# KiCad board travis_erg2024.kicad_pcb-wired-gnd.kicad_pcb (continued)
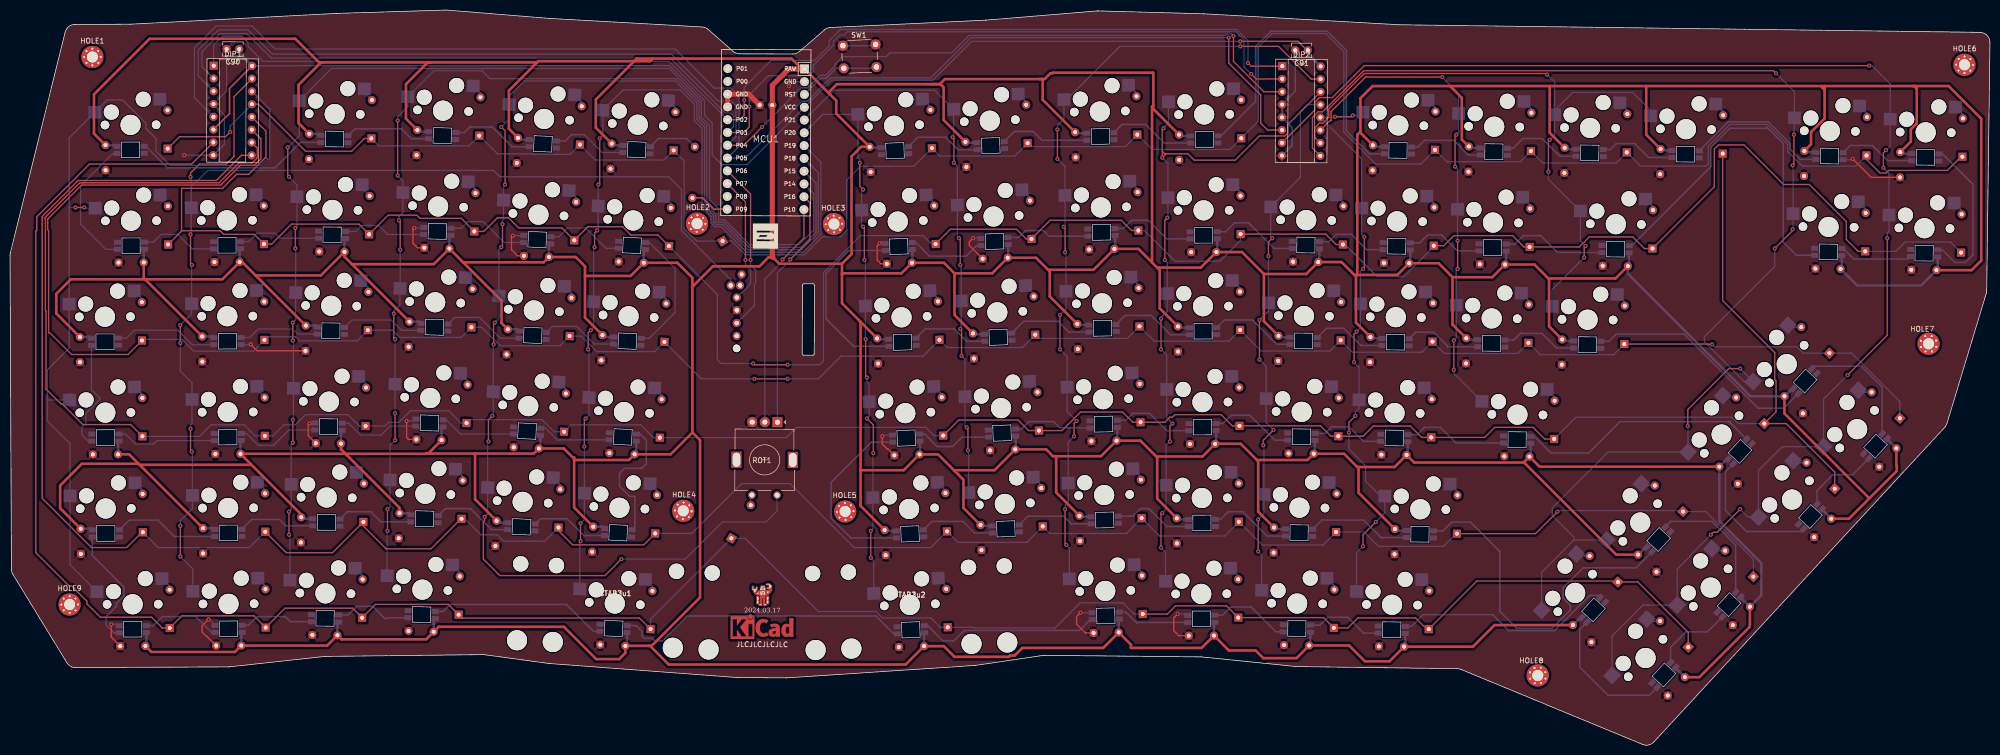
[diagram p0: board, top side]
## Routing (per net, layer and track width the routed paths; a pad name or vN(x,y) marks a point on that pad's centre or on a via; arc(x,y) is an arc through that point) (continued)
LED_2: length 16.6
  Bottom w0.3: LED14.2 99.72,118.86 95.79,122.78 91.35,122.78 90.25,121.68 LED11.4
LED_3: length 17.4
  Bottom w0.3: LED8.4 68.48,122.4 77.76,122.4 79.71,120.45 LED11.2
LED_4: length 38.9
  Bottom w0.3: LED3.4 26.96,118.95 31.26,114.65 52.61,114.65 57.68,119.72 LED8.2
LED_5: length 27
  Bottom w0.25: LED48.4 19.01,98.48 14.01,103.48 14.01,111.1 20.44,117.53 LED3.2
LED_6: length 15.5
  Bottom w0.25: LED51.4 36.19,98.56 33.31,101.45 30.01,101.45 28.46,99.9 LED48.2
LED_7: length 16.6
  Bottom w0.25: LED54.4 53.64,100.68 52.61,101.7 49.06,101.7 47.34,99.99 LED51.2
LED_8: length 16.7
  Bottom w0.25: LED57.4 74.99,101.42 73.19,103.22 69.89,103.22 68.67,102.01 LED54.2
LED_9: length 16.7
  Bottom w0.25: LED57.2 89.64,102.66 90.97,103.99 94.02,103.99 98.17,99.84 LED59.4
LED_10: length 15.7
  Bottom w0.25: LED59.2 109.04,100.98 110.78,102.72 114.34,102.72 118.37,98.68 LED62.4
LED_11: length 25.6
  Bottom w0.25: LED16.4 126.96,80.79 132.12,85.95 132.12,94.69 126.98,99.82 LED62.2
LED_12: length 15.3
  Bottom w0.25: LED16.2 116.06,79.65 112.56,83.16 107.76,83.16 LED13.4
LED_13: length 16.3
  Bottom w0.25: LED10.4 88.34,84.94 93.25,84.94 97.38,80.81 LED13.2
LED_14: length 16.6
  Bottom w0.25: LED10.2 77.78,82.38 75.73,84.43 67.9,84.43 LED7.4
LED_15: length 16.3
  Bottom w0.25: LED5.4 47.6,80.94 49.31,82.65 56.17,82.65 57.19,81.63 LED7.2
LED_16: length 20.8
  Bottom w0.25: LED2.4 23.11,80.83 24.67,82.4 33.31,82.4 36.19,79.51 LED5.2
LED_17: length 22.4
  Bottom w0.25: LED47.4 15.55,60.36 14.26,61.65 14.26,63.09 15.07,63.9 15.07,65.87 17.82,68.61 17.82,68.93 16.17,70.58 LED2.2
LED_18: length 20
  Bottom w0.25: LED50.4 29.16,60.46 28.48,59.79 24.93,59.79 22.94,61.78 LED47.2
LED_19: length 16.8
  Bottom w0.25: LED53.4 55.41,62.58 52.36,59.54 49.31,59.54 46.96,61.89 LED50.2
LED_20: length 16.3
  Bottom w0.25: LED53.2 67.29,63.91 69.63,61.57 73.7,61.57 75.48,63.35 LED56.4
LED_21: length 15.1
  Bottom w0.25: LED58.4 89.48,61.79 86.68,64.59 LED56.2
LED_22: length 14.6
  Bottom w0.25: LED61.4 109.33,60.63 109.26,60.55 108.75,60.55 106.37,62.93 LED58.2
LED_23: length 26.6
  Bottom w0.3: LED15.4 124.11,43.31 124.11,49.38 123.1,49.38 121.07,51.41 121.07,53.95 122.08,54.96 125.51,54.96 126.4,55.85 126.4,60.52 125.15,61.77 LED61.2
LED_24: length 15.6
  Bottom w0.3: LED12.4 105.34,44.93 110.65,44.93 113.99,41.6 LED15.2
LED_25: length 16.1
  Bottom w0.3: LED9.4 86.46,46.96 91.48,46.96 95.67,42.77 LED12.2
LED_26: length 15.5
  Bottom w0.3: LED9.2 73.67,44.32 71.66,46.33 67,46.33 LED6.4
LED_27: length 15.4
  Bottom w0.3: LED4.4 48.01,44.8 53.5,44.8 54.77,43.54 LED6.2
LED_28: length 21.1
  Bottom w0.3: LED4.2 32.64,41.41 29.37,44.68 23.67,44.68 LED1.4
LED_29: length 24.8
  Bottom w0.3: LED1.2 16.33,37.65 22.61,31.37 22.61,29.6 21.12,28.1 21.12,27.53 19.09,25.5 19.09,23.8 20.61,22.28 LED46.4
LED_30: length 15.7
  Bottom w0.3: LED46.2 28.46,23.7 30.26,25.5 36.89,25.5 40.03,22.36 LED49.4
LED_31: length 14.9
  Bottom w0.3: LED52.4 55.66,24.49 54.65,25.5 49.31,25.5 49.18,25.37 48.93,25.37 47.34,23.79 LED49.2
LED_32: length 15.5
  Bottom w0.3: LED52.2 67.16,25.82 68.87,27.53 72.04,27.53 74.46,25.12 74.84,25.12 75,25.28 LED55.4
LED_33: length 35.5
  Bottom w0.3: LED60.4 115.87,22.57 110.53,27.91 87.41,27.91 86.01,26.52 LED55.2
LED_34: length 58.9
  Bottom w0.3: LED60.2 124.36,23.71 125.51,22.55 125.51,21.69 126.02,21.18 127.54,21.18 128.05,20.67 129.58,20.67 134.53,25.63 172,25.63 175.56,22.07 LED63.4
LED_35: length 36.4
  Bottom w0.3: LED68.4 214.56,24.89 212.43,22.75 189.57,22.75 187.49,20.67 185.31,20.67 182.3,23.68 LED63.2
LED_36: length 14.5
  Bottom w0.3: LED68.2 221.64,26.4 223.81,24.23 223.92,24.34 LED71.4
LED_37: length 16.3
  Bottom w0.3: LED71.2 240.84,25.77 242.48,27.41 246.54,27.41 251.48,22.47 LED74.4
LED_38: length 15.4
  Bottom w0.3: LED74.2 260.21,23.8 261.78,25.37 265.72,25.37 268.87,22.22 LED77.4
LED_39: length 44.1
  Bottom w0.3: LED77.2 278.38,23.55 280.71,25.88 294.55,25.88 297.72,22.71 306.8,22.71 313.81,29.71 315.46,29.71 LED40.4
LED_40: length 27.9
  Bottom w0.3: LED40.2 311.82,22.96 311.82,15.47 317.41,9.88 325.66,9.88 LED83.4
LED_41: length 15.8
  Bottom w0.3: LED84.4 337.17,22.45 332.9,22.45 329.86,19.41 LED83.2
LED_42: length 25.9
  Bottom w0.3: LED41.4 329.73,44.2 329.73,44.42 338.11,44.42 342.79,39.74 LED84.2
LED_43: length 70.7
  Bottom w0.3: LED41.2 322.99,35.18 312.51,35.18 308.52,31.2 308.52,29.21 309.92,27.81 309.92,26.77 306.36,23.21 299.26,23.21 295.95,26.52 295.95,38.45 290.1,44.3 286.42,44.3 284.65,42.53 LED32.4
LED_44: length 20.9
  Bottom w0.3: LED32.2 272.53,41.2 272.45,41.12 268.89,44.68 260.61,44.68 LED30.4
LED_45: length 16.5
  Bottom w0.3: LED30.2 249.7,41.52 244.89,46.33 241.97,46.33 240.46,44.82 LED27.4
LED_46: length 16
  Bottom w0.3: LED24.4 223.06,45.45 224.57,46.96 226.22,46.96 229.79,43.39 LED27.2
LED_47: length 15.6
  Bottom w0.3: LED21.4 202.18,45.44 209.33,45.44 210.86,43.92 210.87,43.93 LED24.2
LED_48: length 15.3
  Bottom w0.3: LED21.2 191.56,42.12 189.27,44.42 183.14,44.42 LED18.4
LED_49: length 37.3
  Bottom w0.3: LED18.2 167.03,41.13 163.1,45.06 163.1,52.17 171.1,60.16 LED64.4
LED_50: length 15.5
  Bottom w0.3: LED66.4 189.11,61.16 187.23,59.28 184.19,59.28 181.72,61.74 181.72,61.77 LED64.2
LED_51: length 15.9
  Bottom w0.3: LED69.4 208.55,62.98 207.3,64.24 202.35,64.24 200.88,62.77 LED66.2
LED_52: length 16.3
  Bottom w0.3: LED72.4 229.79,62.44 226.35,65.89 223.05,65.89 221.66,64.5 LED69.2
LED_53: length 17
  Bottom w0.3: LED72.2 240.97,63.87 242.61,65.51 246.29,65.51 251.23,60.56 LED75.4
LED_54: length 14.8
  Bottom w0.3: LED78.4 268.87,60.32 265.97,63.22 262.54,63.22 261.22,61.89 LED75.2
LED_55: length 20.9
  Bottom w0.3: LED80.4 287.23,60 284.13,63.09 280.96,63.09 279.52,61.65 LED78.2
LED_56: length 51.6
  Bottom w0.3: 341.5,64.24 342.92,62.82 ; 341.5,64.24 341.16,64.24 ; 341.5,64.24 341.9,63.84 ; 342.92,62.82 LED42.4 ; 342.92,62.82 341.9,63.84 ; LED80.2 302.79,61.33 306.1,58.01 313.6,58.01 319.82,64.24 341.16,64.24 ; 341.16,64.24 341.67,64.24 341.67,64.07 ; 341.67,64.07 341.9,63.84 ; 341.67,64.07 341.9,63.84
LED_57: length 27.4
  Bottom w0.3: LED42.2 340.78,54.3 340.78,46.58 344.97,42.39 355.79,42.39 LED85.4
LED_58: length 15.6
  Bottom w0.3: LED86.4 366.04,53.69 362.11,53.69 358.96,50.54 LED85.2
LED_59: length 25.2
  Bottom w0.3: LED86.2 371.89,71.09 367.73,75.25 358.4,75.25 LED43.4
LED_60: length 47.2
  Bottom w0.3: LED37.4 317.62,80.2 319.06,81.63 332.52,81.63 347.25,66.9 352.32,66.9 LED43.2
LED_61: length 15.5
  Bottom w0.3: LED37.2 307.22,78.87 304.33,81.76 300.26,81.76 300.14,81.89 298.7,80.45 LED35.4
LED_62: length 15.5
  Bottom w0.3: LED33.4 279.24,82.02 282.8,82.02 285.53,79.28 285.53,79.09 285.56,79.12 LED35.2
LED_63: length 15
  Bottom w0.3: LED31.4 261.52,82.78 264.96,82.78 268.37,79.37 LED33.2
LED_64: length 17.2
  Bottom w0.3: LED28.4 241.21,84.43 246.8,84.43 251.62,79.61 LED31.2
LED_65: length 16.9
  Bottom w0.3: LED28.2 230.55,81.5 226.73,85.32 221.47,85.32 LED25.4
LED_66: length 17.2
  Bottom w0.3: LED22.4 201.35,84.17 208.19,84.17 210.33,82.03 LED25.2
LED_67: length 15.5
  Bottom w0.3: LED19.4 181.8,82.65 187.61,82.65 190.07,80.2 LED22.2
LED_68: length 37.5
  Bottom w0.3: LED19.2 167.57,79.2 162.09,84.68 162.09,93.66 166.66,98.23 LED65.4
LED_69: length 15.7
  Bottom w0.3: LED67.4 192.06,99.23 189.96,97.13 182.63,97.13 179.91,99.84 LED65.2
LED_70: length 16.9
  Bottom w0.3: LED67.2 200.34,100.84 201.71,102.21 205.27,102.21 206.39,101.08 LED70.4
LED_71: length 17.1
  Bottom w0.3: LED70.2 221.15,102.6 222.79,104.24 226.1,104.24 229.79,100.55 LED73.4
LED_72: length 17.7
  Bottom w0.3: LED76.4 251.11,98.65 246.03,103.73 243.24,103.73 241.48,101.97 LED73.2
LED_73: length 14.5
  Bottom w0.3: LED76.2 261.97,99.98 263.43,101.45 266.48,101.45 269.51,98.42 LED79.4
LED_74: length 15.6
  Bottom w0.3: LED81.4 287.54,98.17 284.39,101.32 281.59,101.32 280.02,99.75 LED79.2
LED_75: length 21.1
  Bottom w0.3: LED82.4 307.42,97.85 304.07,101.19 300.64,101.19 298.95,99.5 LED81.2
LED_76: length 70.8
  Bottom w0.3: LED82.2 322.12,99.18 337.86,114.91 337.86,118.72 341.67,122.53 348.78,122.53 348.99,122.75 352.26,119.48 352.26,99.91 354.87,97.3 LED87.4
LED_77: length 14.7
  Bottom w0.3: LED88.4 377.03,96.55 366.24,96.55 364.17,98.62 LED87.2
LED_78: length 31.9
  Bottom w0.3: LED88.2 383.85,98.37 386.37,95.86 388.4,95.86 389.93,97.38 389.93,111.39 383.89,117.42 LED45.4
LED_79: length 15.5
  Bottom w0.3: LED45.2 372.99,116.09 369.99,119.1 365.57,119.1 LED44.4
LED_80: length 29.3
  Bottom w0.3: LED39.4 338.5,120.98 338.5,121 341.3,123.8 349.29,123.8 353.6,119.48 353.6,118.38 355.64,116.34 LED44.2
LED_81: length 15.3
  Bottom w0.3: LED39.2 325.51,116.72 322.74,119.48 319.06,119.48 317.87,118.3 LED38.4
LED_82: length 15.9
  Bottom w0.3: LED36.4 298.57,118.55 300.52,120.5 304.33,120.5 307.86,116.97 LED38.2
LED_83: length 15.4
  Bottom w0.3: LED36.2 289.7,117.22 286.8,120.12 280.96,120.12 279.64,118.79 LED34.4
LED_84: length 67.7
  Bottom w0.3: LED34.2 270.31,117.47 270.16,117.32 265.47,122.02 265.47,138.02 261.66,141.83 250.48,141.83 247.43,138.78 247.43,127.86 240.59,121.02 LED29.4
LED_85: length 17.5
  Bottom w0.3: LED29.2 229.28,119.6 225.59,123.29 220.91,123.29 LED26.4
LED_86: length 18
  Bottom w0.3: LED26.2 204.99,120.13 203.24,121.89 199.51,121.89 LED23.4
LED_87: length 15.5
  Bottom w0.3: LED23.2 188.32,118.27 185.84,120.75 180.33,120.75 LED20.4
matrixl_index_bottom: length 2.9
  Bottom w0.3: D24.2 109.31,51.69 S24.2
matrixl_index_func: length 2.9
  Bottom w0.3: S28.2 113.56,127.77 D28.2
matrixl_index_home: length 2.9
  Bottom w0.3: D25.2 110.42,70.71 S25.2
matrixl_index_num: length 2.9
  Bottom w0.3: S27.2 112.45,108.75 D27.2
matrixl_index_top: length 2.9
  Bottom w0.3: S26.2 111.54,89.73 D26.2
matrixl_inner_bottom: length 2.9
  Bottom w0.3: D30.2 128.52,50.52 S30.2
matrixl_inner_func: length 2.9
  Bottom w0.3: S34.2 132.18,126.63 D34.2
matrixl_inner_home: length 2.9
  Bottom w0.3: S31.2 129.44,69.54 D31.2
matrixl_inner_mod: length 2.9
  Bottom w0.3: S29.2 127.61,31.49 D29.2
matrixl_inner_num: length 2.9
  Bottom w0.3: S33.2 131.27,107.6 D33.2
matrixl_inner_top: length 2.9
  Bottom w0.3: D32.2 130.35,88.57 S32.2
matrixl_middle_bottom: length 2.9
  Bottom w0.3: D19.2 89.92,53.36 S19.2
matrixl_middle_func: length 2.9
  Bottom w0.3: D23.2 93.45,129.48 S23.2
matrixl_middle_home: length 2.9
  Bottom w0.3: D20.2 90.9,72.39 S20.2
matrixl_middle_mod: length 2.9
  Bottom w0.3: S18.2 89.34,34.32 D18.2
matrixl_middle_num: length 2.9
  Bottom w0.3: S22.2 92.47,110.46 D22.2
matrixl_middle_top: length 2.9
  Bottom w0.3: D21.2 91.88,91.41 S21.2
matrixl_outer_bottom: length 2.8
  Bottom w0.3: D2.2 26.34,50.57 S2.2
matrixl_outer_func: length 2.8
  Bottom w0.25: D6.2 29.76,127.62 S6.2
matrixl_outer_home: length 2.8
  Bottom w0.3: D3.2 26.26,69.62 S3.2
matrixl_outer_mod: length 2.8
  Bottom w0.3: D1.2 31.69,31.54 S1.2
matrixl_outer_num: length 2.8
  Bottom w0.25: S5.2 29.84,108.57 D5.2
matrixl_outer_top: length 2.8
  Bottom w0.3: S4.2 26.18,88.67 D4.2
matrixl_pinky_bottom: length 2.8
  Bottom w0.3: S8.2 50.66,50.67 D8.2
matrixl_pinky_home: length 2.8
  Bottom w0.25: D9.2 49.06,70.55 S9.2
matrixl_pinky_mod: length 2.8
  Bottom w0.3: S7.2 50.74,31.62 D7.2
matrixl_pinky_num: length 2.8
  Bottom w0.25: D11.2 48.89,108.65 S11.2
matrixl_pinky_top: length 2.8
  Bottom w0.3: D10.2 50.49,88.77 S10.2
matrixl_ring_bottom: length 2.8
  Bottom w0.3: D13.2 70.28,52.69 S13.2
matrixl_ring_func: length 2.8
  Bottom w0.25: S17.2 70.4,129.6 D17.2
matrixl_ring_home: length 2.8
  Bottom w0.3: S14.2 70.73,71.73 D14.2
matrixl_ring_mod: length 2.8
  Bottom w0.3: D12.2 70.03,33.64 S12.2
matrixl_ring_num: length 2.8
  Bottom w0.25: S16.2 69.95,110.56 D16.2
matrixl_ring_top: length 2.8
  Bottom w0.3: S15.2 71.18,90.78 D15.2
matrixr_index_bottom: length 2.8
  Bottom w0.3: S41.2 204.85,51.6 D41.2
matrixr_index_func: length 2.8
  Bottom w0.3: D45.2 201.86,127.74 S45.2
matrixr_index_home: length 2.8
  Bottom w0.3: D42.2 204.1,70.63 S42.2
matrixr_index_num: length 2.8
  Bottom w0.3: D44.2 202.6,108.7 S44.2
matrixr_index_top: length 2.8
  Bottom w0.3: D43.2 203.35,89.67 S43.2
matrixr_inner_bottom: length 2.8
  Bottom w0.3: D36.2 185.82,50.6 S36.2
matrixr_inner_func: length 2.8
  Bottom w0.3: S40.2 182.83,126.74 D40.2
matrixr_inner_home: length 2.8
  Bottom w0.3: S37.2 185.07,69.64 D37.2
matrixr_inner_mod: length 2.8
  Bottom w0.3: D35.2 185.97,31.54 S35.2
matrixr_inner_num: length 2.8
  Bottom w0.3: S39.2 183.58,107.71 D39.2
matrixr_inner_top: length 2.8
  Bottom w0.3: D38.2 184.33,88.67 S38.2
matrixr_middle_bottom: length 2.8
  Bottom w0.3: S47.2 224.63,53.3 D47.2
matrixr_middle_func: length 2.8
  Bottom w0.3: D51.2 223.77,129.5 S51.2
matrixr_middle_home: length 2.8
  Bottom w0.3: S48.2 224.41,72.35 D48.2
matrixr_middle_mod: length 2.8
  Bottom w0.3: S46.2 224.84,34.25 D46.2
matrixr_middle_num: length 2.8
  Bottom w0.3: S50.2 223.98,110.45 D50.2
matrixr_middle_top: length 2.8
  Bottom w0.3: S49.2 224.2,91.4 D49.2
matrixr_outer2_func: length 2.8
  Bottom w0.3: S72.2 302.22,126.36 D72.2
matrixr_outer2_home: length 2.8
  Bottom w0.3: S69.2 306.83,69.15 D69.2
matrixr_outer2_num: length 2.8
  Bottom w0.3: D71.2 301.97,107.32 S71.2
matrixr_outer2_top: length 2.8
  Bottom w0.3: D70.2 301.72,88.27 S70.2
matrixr_outer3_func: length 2.8
  Bottom w0.3: S75.2 321.26,126.12 D75.2
matrixr_outer3_num: length 2.8
  Bottom w0.3: D74.2 326.38,107 S74.2
matrixr_outer3_top: length 2.8
  Bottom w0.3: D73.2 320.77,88.02 S73.2
matrixr_outer4_func: length 2.8
  Bottom w0.3: D76.2 340.31,125.87 S76.2
matrixr_outer_bottom: length 2.8
  Bottom w0.3: D64.2 287.53,50.35 S64.2
matrixr_outer_func: length 2.8
  Bottom w0.3: S68.2 283.17,126.61 D68.2
matrixr_outer_home: length 2.8
  Bottom w0.3: S65.2 282.42,69.47 D65.2
matrixr_outer_mod: length 2.8
  Bottom w0.3: D63.2 281.92,31.37 S63.2
matrixr_outer_num: length 2.8
  Bottom w0.3: D67.2 282.92,107.57 S67.2
matrixr_outer_top: length 2.8
  Bottom w0.3: S66.2 282.67,88.52 D66.2
matrixr_pinky_bottom: length 2.8
  Bottom w0.3: S59.2 263.52,50.66 D59.2
matrixr_pinky_home: length 2.8
  Bottom w0.3: S60.2 263.97,69.71 D60.2
matrixr_pinky_mod: length 2.8
  Bottom w0.3: S58.2 263.07,31.62 D58.2
matrixr_pinky_num: length 2.8
  Bottom w0.3: S62.2 264.87,107.8 D62.2
matrixr_pinky_top: length 2.8
  Bottom w0.3: D61.2 264.42,88.76 S61.2
matrixr_ring_bottom: length 2.8
  Bottom w0.3: D53.2 244.08,52.65 S53.2
matrixr_ring_func: length 2.8
  Bottom w0.3: D57.2 244.55,128.86 S57.2
matrixr_ring_home: length 2.8
  Bottom w0.3: D54.2 244.2,71.7 S54.2
matrixr_ring_mod: length 2.8
  Bottom w0.3: D52.2 243.96,33.6 S52.2
matrixr_ring_num: length 2.8
  Bottom w0.3: S56.2 244.43,109.81 D56.2
matrixr_ring_top: length 2.8
  Bottom w0.3: S55.2 244.31,90.75 D55.2
mux0: length 241.4
  Top w0.25: DIP2.1 246.52,134.87 v1(245.91,135.48) ; v1(145.83,128.12) 145.83,125.07 144.99,124.23 MCU1.17
  Bottom w0.25: DIP1.1 40.45,139.01 40.42,139.04 42.2,140.82 46.01,140.82 47.28,139.55 47.28,138.78 50.24,135.83 130.93,135.83 MCU1.17 ; v1(245.91,135.48) 245.91,139.94 243.7,142.15 164.95,142.15 162.72,139.93 162.72,138.91 159.8,135.99 151.17,135.99 145.83,130.66 v1(145.83,128.12)
mux1: length 254.3
  Top w0.25: v1(146.85,126.85) 146.85,122.78 145.75,121.69 142.52,121.69 ; DIP2.2 247.55,132.33 v1(246.55,133.33)
  Bottom w0.25: DIP1.2 38.14,134.72 38.14,137.77 41.69,141.32 47.03,141.32 51.85,136.5 131.11,136.5 142.05,125.56 143.05,125.56 143.74,124.88 143.74,122.9 142.52,121.69 ; v1(146.85,126.85) 146.85,129.13 150.7,132.98 158.75,132.98 159.64,133.87 159.64,135.23 159.76,135.23 163.57,139.04 163.57,139.76 164.88,141.07 165.71,141.07 166.34,141.7 243.51,141.7 245.11,140.1 245.11,134.76 246.54,133.33 v1(246.55,133.33)
mux2: length 260
  Top w0.25: DIP2.3 249.06,129.79 243.03,135.82 v1(243.03,140.88) ; v1(149.39,122.78) 145.75,119.15 MCU1.19
  Bottom w0.25: v1(243.03,140.88) 242.66,141.25 241.8,141.25 241.52,140.98 190.52,140.98 187.06,137.51 174.79,137.51 174.03,136.75 165.39,136.75 163.87,135.23 163.87,134.88 162.01,133.02 161.96,133.07 160.94,133.07 158.45,130.58 157.18,130.58 v1(149.39,122.78) ; DIP1.3 37.37,132.94 37.37,138.02 41.44,142.09 47.28,142.09 52.11,137.26 131.35,137.26 140.65,127.97 143.19,127.97 144.19,126.97 144.19,120.82 MCU1.19
mux3: length 278.2
  Top w0.25: DIP2.6 249.83,122.17 248.45,123.54 248.45,129.13 242.1,135.48 v1(242.1,140.53)
  Bottom w0.25: v1(242.1,140.53) 190.89,140.53 182.92,132.55 163,132.55 158.35,127.9 157.29,127.9 145.99,116.61 MCU1.20 144.82,118.92 144.82,128.88 143.19,130.51 139.89,130.51 132.12,138.28 52.61,138.28 48.04,142.85 40.93,142.85 36.61,138.53 36.61,128.6 DIP1.5
pages_left_bottom: length 2.8
  Bottom w0.3: D81.2 354.63,56.09 S81.2
pages_left_top: length 2.8
  Bottom w0.3: D82.2 340.64,69.02 S82.2
pages_right_bottom: length 2.8
  Bottom w0.3: S83.2 367.56,70.08 D83.2
pages_right_top: length 2.8
  Bottom w0.3: S84.2 353.57,83.01 D84.2
RAW: length 2639.5
  Top w0.5: 182.79,131.29 184.69,131.29 185.71,132.31 204.51,132.31 ; 182.79,131.29 184.82,131.29 185.46,130.66 185.46,124.16 C23.1 ; 182.79,131.29 164.25,131.29 162.55,129.59 ; 135.54,91.03 135.54,92.81 132.56,95.8 C62.1 123.28,93.19 114.21,93.19 ; 135.54,91.03 135.54,62.08 ; 135.54,91.03 139.61,95.1 148.88,95.1 150.66,96.87 151.55,96.87 152.82,95.6 165.26,95.6 ; 112.05,56.62 112.05,47.18 C15.1 ; 112.05,56.62 122.93,56.62 C61.1 131.21,57.74 135.54,62.08 ; 112.05,56.62 112.05,57.12 111.8,57.12 110.02,58.9 C58.1 104.03,57.89 92.36,57.89 ; C10.1 67.91,95.53 ; 67.91,95.53 84.19,95.53 C57.1 90.06,95.84 ; 67.91,95.53 66.43,97.01 C54.1 61.75,93.29 48.77,93.29 ; C24.1 207.81,50.17 207.81,57.38 207.17,57.38 ; 300.71,56.17 319.07,37.81 C41.1 ; 300.71,56.17 300.65,56.11 278.93,56.11 C78.1 275.03,55.22 267.62,55.22 ; 300.71,56.17 C80.1 303.83,55.29 C42.1 ; C37.1 305.72,83.16 305.72,92.68 305.6,92.68 ; 247.69,56.62 257.74,56.62 C75.1 264.99,57.85 267.62,55.22 ; 247.69,56.62 247.94,56.36 247.94,46.35 C30.1 ; 247.69,56.62 244.47,59.83 C72.1 236.88,57.31 227.68,57.31 ; 305.6,92.68 318.92,92.68 C82.1 ; 305.6,92.68 302.82,95.46 C81.1 294.45,92.94 286.55,92.94 ; 187.49,54.58 189.39,52.68 189.39,47.08 C21.1 ; 187.49,54.58 184.34,57.73 C64.1 177.52,54.58 168.95,54.58 ; 187.49,54.58 195.55,54.58 C66.1 205.82,58.73 207.17,57.38 ; 165.26,95.6 167.17,97.51 167.17,116.94 169.06,118.84 C20.1 169.17,120.42 169.14,120.42 164.12,125.45 164.12,128.02 162.55,129.59 ; 165.26,95.6 165.26,93.32 ; 168.77,84.25 165.26,87.76 165.26,93.32 ; 168.77,84.25 168.95,84.08 168.95,54.58 ; 168.77,84.25 C19.1 ; 27.21,92.53 42.19,92.53 C51.1 46.12,95.94 48.77,93.29 ; 27.21,92.53 26.8,92.53 ; 27.21,92.53 12.07,92.53 9.18,89.64 9.18,85.73 C2.1 ; 25.94,55.46 26.12,55.65 47.97,55.65 ; 25.94,55.46 C4.1 ; 25.94,55.46 25.68,55.72 ; C40.1 294.9,23.82 290.6,19.52 C77.1 274.02,16.61 269.15,16.61 266,19.76 C74.1 255.56,17.25 248.96,17.25 247.43,18.77 242.12,18.77 C71.1 236.71,19.28 222.67,19.28 222.67,19.93 C68.1 217.16,19.28 201.08,19.28 199.55,17.75 198.66,17.75 198.41,17.5 187.61,17.5 185.48,19.63 C63.1 177.9,15.98 130.85,15.98 127.14,19.68 126.78,19.68 ; 168.95,54.58 168.95,47.5 C18.1 ; 187.61,93.7 187.61,85.43 C22.1 ; 187.61,93.7 195.1,93.7 C67.1 203.82,96.8 206.22,94.4 ; 187.61,93.7 185.51,95.8 C65.1 177.07,93.7 165.26,93.7 165.26,93.32 ; 104.68,135.61 99.1,130.02 99.1,122.43 C14.1 ; 104.68,135.61 83.73,135.61 ; 104.68,135.61 104.94,135.86 127.16,135.86 127.67,136.37 ; 92.36,57.89 82.63,57.89 82.59,57.85 ; 92.36,57.89 92.36,48.82 C12.1 ; C6.1 57.84,45.78 47.97,55.65 ; C7.1 48.77,93.29 ; 360.46,130.91 359.95,130.91 ; 360.46,130.91 360.46,130.15 ; 360.46,130.91 377.99,130.91 ; 359.95,130.91 359.95,130.66 360.46,130.15 ; 359.95,130.91 325.03,130.91 ; C9.1 77.37,47.11 66.91,57.57 ; C8.1 57.31,123.54 57.31,131.16 61.76,135.61 62.01,135.61 ; 325.03,130.91 325.03,121.25 C39.1 ; 325.03,130.91 305.85,130.91 ; 378.77,130.4 378.77,130.64 378.5,130.91 ; 378.77,130.4 378.26,130.91 377.99,130.91 ; 378.77,130.4 378.77,123.48 377.6,122.31 377.6,119.89 C45.1 ; C56.1 83.01,57.85 82.59,57.85 ; 204.51,132.31 205.14,132.31 205.14,128.17 C26.1 ; 204.51,132.31 205.52,132.31 206.66,133.45 207.05,133.45 207.17,133.58 227.11,133.58 227.11,127.1 ; 267.62,93.38 267.62,121.26 268.26,121.89 ; 267.62,93.38 267.05,93.38 ; 267.62,93.38 275.59,93.38 C79.1 283.78,95.71 286.55,92.94 ; 66.91,57.57 65.73,58.75 C53.1 ; 66.91,57.57 66.63,57.85 ; 82.59,57.85 66.63,57.85 ; 90.06,95.84 97.63,88.27 97.63,83.82 C13.1 ; 90.06,95.84 90.12,95.9 106.02,95.9 C59.1 112.35,96.95 114.21,95.1 114.21,93.19 ; 114.21,93.19 114.21,84.9 C16.1 ; 227.87,94.84 226.86,95.86 ; 227.87,94.84 236.54,94.84 C73.1 244.73,97.93 249.08,93.57 ; 227.87,94.84 228.38,94.33 228.38,86.76 C28.1 ; 226.86,95.86 226.86,126.85 227.11,127.1 ; 226.86,95.86 224.16,98.56 C70.1 215.22,94.4 206.22,94.4 ; C33.1 267.37,83.92 267.37,93.06 267.05,93.38 ; 62.01,135.61 61.38,135.61 56.68,140.31 27.72,140.31 16.67,129.26 16.67,121.46 C3.1 ; 62.01,135.61 83.73,135.61 ; 135.54,62.08 137.07,60.55 137.07,29.31 127.44,19.68 126.78,19.68 ; C86.1 374.72,55.56 374.81,55.47 374.81,54.46 369.35,49 ; C1.1 9.94,47.04 9.94,51.54 14.26,55.85 25.55,55.85 25.68,55.72 ; 286.55,92.94 286.55,83.54 C35.1 ; 286.04,130.91 270.67,130.91 268.26,128.5 268.26,121.89 ; 286.04,130.91 305.85,130.91 ; 286.04,130.91 288.4,128.55 288.4,120.28 C36.1 ; 83.73,135.61 82.97,135.61 78.65,131.29 78.65,124.42 C11.1 ; 305.85,130.91 305.85,121.63 C38.1 ; C48.1 26.56,92.78 26.8,92.53 ; 227.68,57.31 227.87,57.12 227.87,48.93 C27.1 ; 227.68,57.31 224.54,60.46 C69.1 216.73,57.38 207.17,57.38 ; C34.1 268.26,121.62 268.26,121.89 ; 26.8,92.53 C5.1 ; 227.11,127.1 227.11,126.36 C29.1 ; C84.1 345.63,24 345.6,23.98 345.6,23.47 335.61,13.47 C83.1 ; 47.97,55.65 C50.1 66.63,57.85 ; 206.22,94.4 206.54,94.08 206.54,89.11 C25.1 ; 127.67,136.37 155.23,136.37 157.28,134.32 MCU1.1 162.55,129.59 ; 127.67,136.37 124.5,136.37 116.37,128.24 116.37,122.63 C17.1 ; 267.05,93.38 264.49,95.95 C76.1 257.5,93.57 249.08,93.57 ; 267.62,55.22 267.88,55.22 267.88,50.11 C32.1 ; 25.68,55.72 23.66,57.74 C47.1 ; C88.1 389.67,94.34 391.58,96.24 391.58,124.43 385.1,130.91 378.5,130.91 ; C43.1 352.48,65.86 369.35,49 ; 126.78,19.68 C60.1 122.23,18.28 121,17.06 116.43,17.06 110.02,23.47 85.14,23.47 C55.1 82.65,20.98 65.83,20.98 C52.1 63,19.75 C49.1 44.67,18.47 28.08,18.47 C46.1 ; 369.35,49 365.31,44.95 C85.1 ; 378.5,130.91 377.99,130.91 ; 360.46,130.15 360.46,124.47 357.77,121.78 357.77,119.36 C44.1 ; 249.08,93.57 249.08,84.2 C31.1
  Top w1: MCU1.1 154.7,134.32 151.42,131.04 C89.1 151.42,97 151.55,96.87
  Bottom w0.5: LED31.1 252.27,81.01 C31.1 ; C85.1 359.99,46.75 LED85.1 ; LED80.1 302.07,57.53 C80.1 ; C40.1 311.97,25.33 LED40.1 ; LED38.1 309.12,118.37 C38.1 ; C30.1 251.37,42.92 LED30.1 ; LED32.1 275.38,42.6 C32.1 ; C54.1 66.43,100.37 LED54.1 ; LED52.1 65.03,24.19 C52.1 ; C24.1 212.64,45.33 LED24.1 ; LED5.1 40.22,81.16 C5.1 ; LED37.1 308.62,80.27 C37.1 ; LED6.1 58.13,44.94 C6.1 ; LED23.1 189.95,119.66 C23.1 ; C61.1 124.38,58.07 LED61.1 ; LED74.1 258.31,20 C74.1 ; C2.1 15.91,81.06 LED2.1 ; LED88.1 382.92,94.57 C88.1 379.64,91.29 366.94,91.29 C87.1 363.87,94.82 LED87.1 ; LED33.1 270.52,80.77 C33.1 ; C83.1 330.89,15.28 LED83.1 ; LED69.1 219.95,60.6 C69.1 ; C19.1 172.42,80.6 LED19.1 ; LED86.1 372.92,60.74 C86.1 ; C45.1 375.78,117.49 LED45.1 ; C56.1 85.71,62.91 LED56.1 ; C59.1 107.07,99.25 LED59.1 ; C67.1 198.29,96.89 LED67.1 ; C8.1 61.44,121.41 LED8.1 ; LED75.1 259.21,58.09 C75.1 ; C48.1 26.56,98.31 LED48.1 ; C41.1 324.9,39.32 LED41.1 ; LED58.1 105.37,59.23 C58.1 ; LED1.1 16.08,42.96 C1.1 ; LED15.1 117.77,43.37 C15.1 ; C73.1 239.82,98.12 LED73.1 ; C10.1 81.29,84.11 LED10.1 ; C11.1 81.22,121.85 LED11.1 ; C65.1 179.27,95.9 LED65.1 ; C44.1 356.74,117.74 LED44.1 ; C78.1 277.66,57.85 LED78.1 ; C81.1 297.2,95.69 LED81.1 ; C28.1 232.24,82.9 LED28.1 ; LED9.1 79.33,46.05 C9.1 ; C7.1 60.75,83.32 LED7.1 ; C53.1 65.73,62.28 LED53.1 ; LED60.1 122.56,20.01 C60.1 ; C13.1 100.79,82.58 LED13.1 ; LED26.1 211.78,121.53 C26.1 ; LED18.1 173.92,42.53 C18.1 ; LED36.1 290.07,118.62 C36.1 ; C46.1 27.08,19.85 LED46.1 ; LED79.1 278.16,95.94 C79.1 ; LED39.1 328.16,118.12 C39.1 ; C34.1 271.02,118.87 LED34.1 ; LED17.1 119.88,119.11 C17.1 ; C76.1 260.11,96.18 LED76.1 ; C55.1 84.15,24.84 LED55.1 ; LED12.1 97.01,44.17 C12.1 ; LED68.1 220.24,24.86 C68.1 ; C16.1 118.06,81.05 LED16.1 ; C66.1 199.79,58.82 LED66.1 ; LED82.1 321.62,95.37 C82.1 321.38,93.62 345.72,69.28 C43.1 354,70.79 LED43.1 ; C63.1 181.56,22.18 LED63.1 ; LED14.1 101.27,120.25 C14.1 ; LED3.1 21.01,119.18 C3.1 ; LED51.1 45.61,98.4 C51.1 ; LED25.1 212.21,83.43 C25.1 ; LED50.1 45.77,60.3 C50.1 ; C22.1 191.45,81.59 LED22.1 ; C64.1 180.76,57.82 LED64.1 ; C27.1 232.01,44.79 LED27.1 ; LED49.1 45.94,22.2 C49.1 ; LED35.1 289.57,80.52 C35.1 ; LED72.1 239.58,60.02 C72.1 ; LED42.1 341.06,56.8 C42.1 339.55,44.47 347.89,36.13 347.89,29.73 C84.1 343.82,29.27 LED84.1 ; LED77.1 277.16,19.75 C77.1 ; LED71.1 239.16,24.18 C71.1 ; C70.1 219.52,98.7 LED70.1 ; LED29.1 232.48,121 C29.1 ; LED4.1 40.39,43.06 C4.1 ; C57.1 87.28,100.98 LED57.1 ; LED20.1 170.93,118.67 C20.1 ; LED21.1 192.95,43.52 C21.1 ; C47.1 21.46,60.19 LED47.1 ; C62.1 125.89,98.1 LED62.1
row0: length 465.1
  Top w0.25: D6.1 33.67,120.85 42.8,120.85 v1(43.72,121.77) ; D86.1 368.79,116.32 371.47,113.64 372.65,113.64 373.16,114.15 384.85,114.15 387.57,116.87 D88.1 ; DIP1.13 49.36,127.31 58.71,117.96 67.85,117.96 70.4,120.5 D17.1
  Bottom w0.25: DIP1.13 43.72,122.99 v1(43.72,121.77) ; D17.1 73.25,119.03 91.19,119.03 D23.1 95.89,118.38 95.89,118.37 96.81,117.45 103.81,117.45 103.9,117.36 111.27,117.36 D28.1 116.27,116.21 129.89,116.21 D34.1 133.89,116.06 133.89,102.61 136.39,100.11 D89.1 143.36,100.11 146.09,97.38 157.77,97.38 161.33,100.94 164.88,100.94 166.18,102.24 166.18,112.2 168.95,114.97 179.52,114.97 D40.1 184.68,117.02 199.6,117.02 D45.1 202.85,118.87 221.54,118.87 D51.1 226.87,118.32 242.36,118.32 D57.1 247.94,123.91 247.94,138.62 250.68,141.36 261.4,141.36 261.4,141.32 264.96,137.77 264.96,121.77 271.31,115.42 280.24,115.42 D68.1 285.43,115.88 300,115.88 D72.1 304.48,115.63 319.05,115.63 D75.1 323.9,115.01 336.94,115.01 337.35,115.42 337.35,118.97 341.67,123.29 349.12,123.29 353.1,119.32 353.1,117.96 356.05,115.01 366.67,115.01 D86.1
row1: length 490.4
  Top w0.25: D62.1 263.42,99.43 261.35,101.5 D56.1 ; D5.1 34.07,102.11 ; 34.07,102.11 34.07,110.59 42.2,110.59 44.99,113.38 47.41,113.38 50.71,116.69 50.84,116.69 50.84,121.96 DIP1.12 ; 34.07,102.11 34.13,102.17 41.73,102.17 42.45,101.45 48.51,101.45 D11.1 51.95,99.52 55.92,103.48 69.31,103.48 D16.1 75.13,105.26 80.81,105.26 81.44,104.63 89.63,104.63 D22.1 94.08,102.02 96.81,104.75 99.02,104.75 101.05,102.72 109.63,102.72 D27.1 114.79,102.97 121.67,102.97 123.32,101.32 128.69,101.32 D33.1 ; v1(154.47,75.54) 147.86,75.54 v1(147.61,75.79) ; D67.1 284.8,99.2 286.8,101.19 298.49,101.19 300.73,98.95 D71.1 311.73,98.95 313.73,100.94 322.36,100.94 324.67,98.63 D74.1 338.56,110.91 338.56,118.4 339.38,119.23 344.46,119.23 352.33,111.35 357.41,111.35 364.78,103.99 364.78,100.43 367.14,98.07 D85.1 ; D50.1 222.79,102.21 220.76,104.24 206.61,104.24 D44.1 201.86,100.53 199.93,102.46 186.8,102.46 D39.1
  Bottom w0.25: D85.1 374.61,98.07 376.46,99.92 385.49,99.92 D87.1 ; D33.1 140.5,89.51 140.5,76.55 141.26,75.79 v1(147.61,75.79) ; D62.1 265.19,99.43 271.56,93.06 276.9,93.06 282.82,98.99 D67.1 ; v1(154.47,75.54) 160.82,75.54 161.58,76.3 161.58,93.83 168.95,101.19 181.39,101.19 183.05,99.54 D39.1 ; D50.1 225.33,102.21 231.43,96.11 240.32,96.11 244.46,100.26 D56.1
row2: length 485.1
  Top w0.25: DIP1.11 49.75,120.5 49.82,120.5 49.82,116.43 48.55,115.16 45.76,115.16 41.95,111.35 41.95,111.25 14.23,111.25 7.47,104.49 7.47,102.39 7.66,102.21 7.66,81.89 7.91,81.89 12.23,77.57 23.42,77.57 D4.1 ; v1(154.47,72.74) v1(147.86,72.74) ; v1(338.11,79.6) 337.35,79.6 337.3,79.65 D73.1
  Bottom w0.25: 133.51,76.55 132.94,77.13 ; 132.94,77.13 137.32,72.74 v1(147.86,72.74) ; 132.94,77.13 D32.1 128.06,78.16 116.54,78.16 113.46,81.24 D26.1 109.24,79.31 97.37,79.31 93.69,82.98 D21.1 89.63,80.96 77.42,80.96 75.97,82.41 D15.1 68.96,80.29 57.51,80.29 56.71,81.09 51.15,81.09 D10.1 48.3,78.24 36.46,78.24 34.12,80.58 26.43,80.58 D4.1 ; D83.1 375.41,68.25 365.82,77.84 D84.1 356.21,77.84 354.95,79.11 338.61,79.11 v1(338.11,79.6) ; v1(154.47,72.74) 160.56,72.74 165.14,77.32 165.22,77.23 181.35,77.23 D38.1 186.18,78.95 201.1,78.95 D43.1 204.37,80.78 221.93,80.78 224.32,83.16 D49.1 227.3,80.22 242.12,80.22 D55.1 248.53,78.27 262.21,78.27 D61.1 266.67,78.03 280.45,78.03 D66.1 284.93,77.78 299.5,77.78 D70.1 303.98,77.53 318.55,77.53 D73.1
row3: length 534.3
  Top w0.25: D3.1 23.95,63.66 14.46,63.66 10.32,67.79 10.07,67.79 7.15,70.71 7.15,86.18 7.02,86.3 7.02,104.62 6.89,104.75 13.85,111.7 41.53,111.7 45.5,115.67 48.04,115.67 48.07,115.64 49.12,116.68 49.12,118.57 DIP1.10 ; D76.1 340.21,88.29 350.56,77.95 350.56,72.61 350.81,72.35 350.81,66.17 D82.1 352.84,63.85 352.84,63.85 362.48,54.22 D81.1 ; D37.1 188.46,64.55 200.25,64.55 202.34,62.46 D42.1 208.96,62.46 212.63,66.14 221.02,66.14 223.04,64.11 D48.1 229.4,64.11 230.41,65.12 230.92,65.12 231.43,65.63 240.57,65.63 242.81,63.4 D54.1 260.33,63.4 262.39,61.34 D60.1 268.79,61.34 270.8,63.35 278.17,63.35 280.41,61.1 D65.1 292.94,61.1 294.93,63.09 302.55,63.09 304.86,60.78 D69.1
  Bottom w0.25: D37.1 183.53,61.47 181.9,63.09 156.25,63.09 154.21,61.05 D31.1 127.8,61.05 125.26,63.6 111.44,63.6 D25.1 108.1,62.22 105.7,64.62 91.33,64.62 D20.1 89.6,63.95 87.16,66.39 79.54,66.39 77.25,64.11 75.22,64.11 74.47,63.36 D14.1 69.36,63.36 67.09,65.63 58.71,65.63 56.68,63.6 54.39,63.6 52.21,61.42 D9.1 48.7,61.42 46.52,63.6 39.91,63.6 37.63,61.31 37.37,61.31 37.37,61.31 D3.1 ; D82.1 343.28,63.85 342.02,65.12 311.07,65.12 D69.1
row4: length 497.6
  Top w0.25: D30.1 125.89,39.76 111.76,39.76 108.94,42.58 D24.1 ; v1(307.38,46.33) 303.03,41.98 D64.1 ; D2.1 26.19,42.26 23.15,39.22 16.17,39.22 6.39,49 6.39,105 13.53,112.15 40.97,112.15 46.01,117.19 46.06,117.15 DIP1.9 ; D19.1 89.56,44.92 83.6,38.96 74.71,38.96 70.18,43.49 D13.1 64.06,38.2 54.9,38.2 54.65,38.45 54.6,38.45 D8.1
  Bottom w0.25: D79.1 346.31,36.89 336.84,46.37 D80.1 332.13,46.56 307.61,46.56 v1(307.38,46.33) ; D30.1 135.43,42.03 145.32,51.92 154.98,51.92 167.68,39.22 182.91,39.22 D36.1 188.32,40.23 201.97,40.23 201.97,40.25 D41.1 206.56,42.01 221.74,42.01 D47.1 228.36,41.5 241.27,41.5 D53.1 248.74,39.72 260.85,39.72 D59.1 268.99,42.29 271.82,39.47 284.77,39.47 287.28,41.98 D64.1 ; D24.1 108.92,43.2 106.21,40.49 98.08,40.49 96.81,41.76 93.51,41.76 90.34,44.92 D19.1 ; D8.1 50.68,42.37 47.53,39.22 29.42,39.22 D2.1
row5: length 484.7
  Top w0.25: DIP1.7 36.08,115.42 15.78,115.42 5.31,104.94 5.31,102.27 5.12,102.08 5.12,38.2 11.72,31.6 12.23,31.6 15.28,28.55 15.28,28.02 16.29,27 16.31,27 17.94,25.37 28.1,25.37 30.24,23.23 D1.1 34.16,25.67 48.42,25.67 D7.1 54.61,27.16 68.04,27.16 D12.1 72.6,27.93 87.06,27.93 D18.1 89.78,25.21 125.03,25.21 D29.1 ; D46.1 229.91,26.01 231.54,27.65 241.65,27.65 D52.1 260.92,25.3 D58.1 265.75,23.25 267.75,25.25 279.18,25.25 281.43,23 D63.1 291.39,32.57 319.2,32.57 D78.1 323.36,32.38 333.38,22.36 D77.1
  Bottom w0.25: D29.1 127.24,25 D90.1 146.03,41.05 160.56,26.52 171.99,26.52 173.26,25.25 182.92,25.25 184.79,23.37 D35.1 191.42,23.37 191.56,23.23 207.57,23.23 212.57,28.23 220.95,28.23 221.02,28.29 223.3,26.01 D46.1
RST: length 16.6
  Bottom w0.3: MCU1.3 161.03,132.47 161.07,132.43 162.09,132.43 162.34,132.69 162.37,132.69 164.12,134.43 SW1.2 171.86,134.43 SW1.2
scr_to: length 2.3
  Bottom w0.25: D89.2 145.01,93.17 REF**.S2
scrA: length 25.7
  Top w0.25: v1(146.09,96.37) 146.09,107.92 MCU1.22
  Bottom w0.25: REF**.A 147.1,91.63 147.1,94.33 146.09,95.35 v1(146.09,96.37)
scrC: length 34.1
  Top w0.25: MCU1.21 147.1,109.45 v1(147.1,96.37)
  Bottom w0.25: REF**.C 147.86,87.33 147.86,91.54 148.12,91.79 148.12,94.33 147.1,95.35 v1(147.1,96.37)
special_left_bottom: length 2.8
  Bottom w0.3: S85.2 368.64,106.44 D85.2
special_left_top: length 2.8
  Bottom w0.3: D86.2 368.88,125.49 S86.2
special_right_bottom: length 2.8
  Bottom w0.3: D87.2 387.68,106.19 S87.2
special_right_top: length 2.8
  Bottom w0.3: S88.2 387.93,125.24 D88.2

## Copper pours and planes (outline as drawn; the poured copper is in the pictures)
GND on Top: 1.56,154.79 -5.55,90.52 -6.82,30.58 7.66,-0.41 340.14,-11.84 397.8,64.87 402.37,158.85
GND on Bottom: -14.7,172.31 -13.93,-20.22 381.29,-29.62 415.83,61.82 419.39,169.77

## Text on the board
B.Silkscreen: JLCJLCJLCJLC
F.Silkscreen: JLCJLCJLCJLC | 2024.03.17
